# Altium PCB as_x31.PcbDoc (part 5 of 6) (continued)
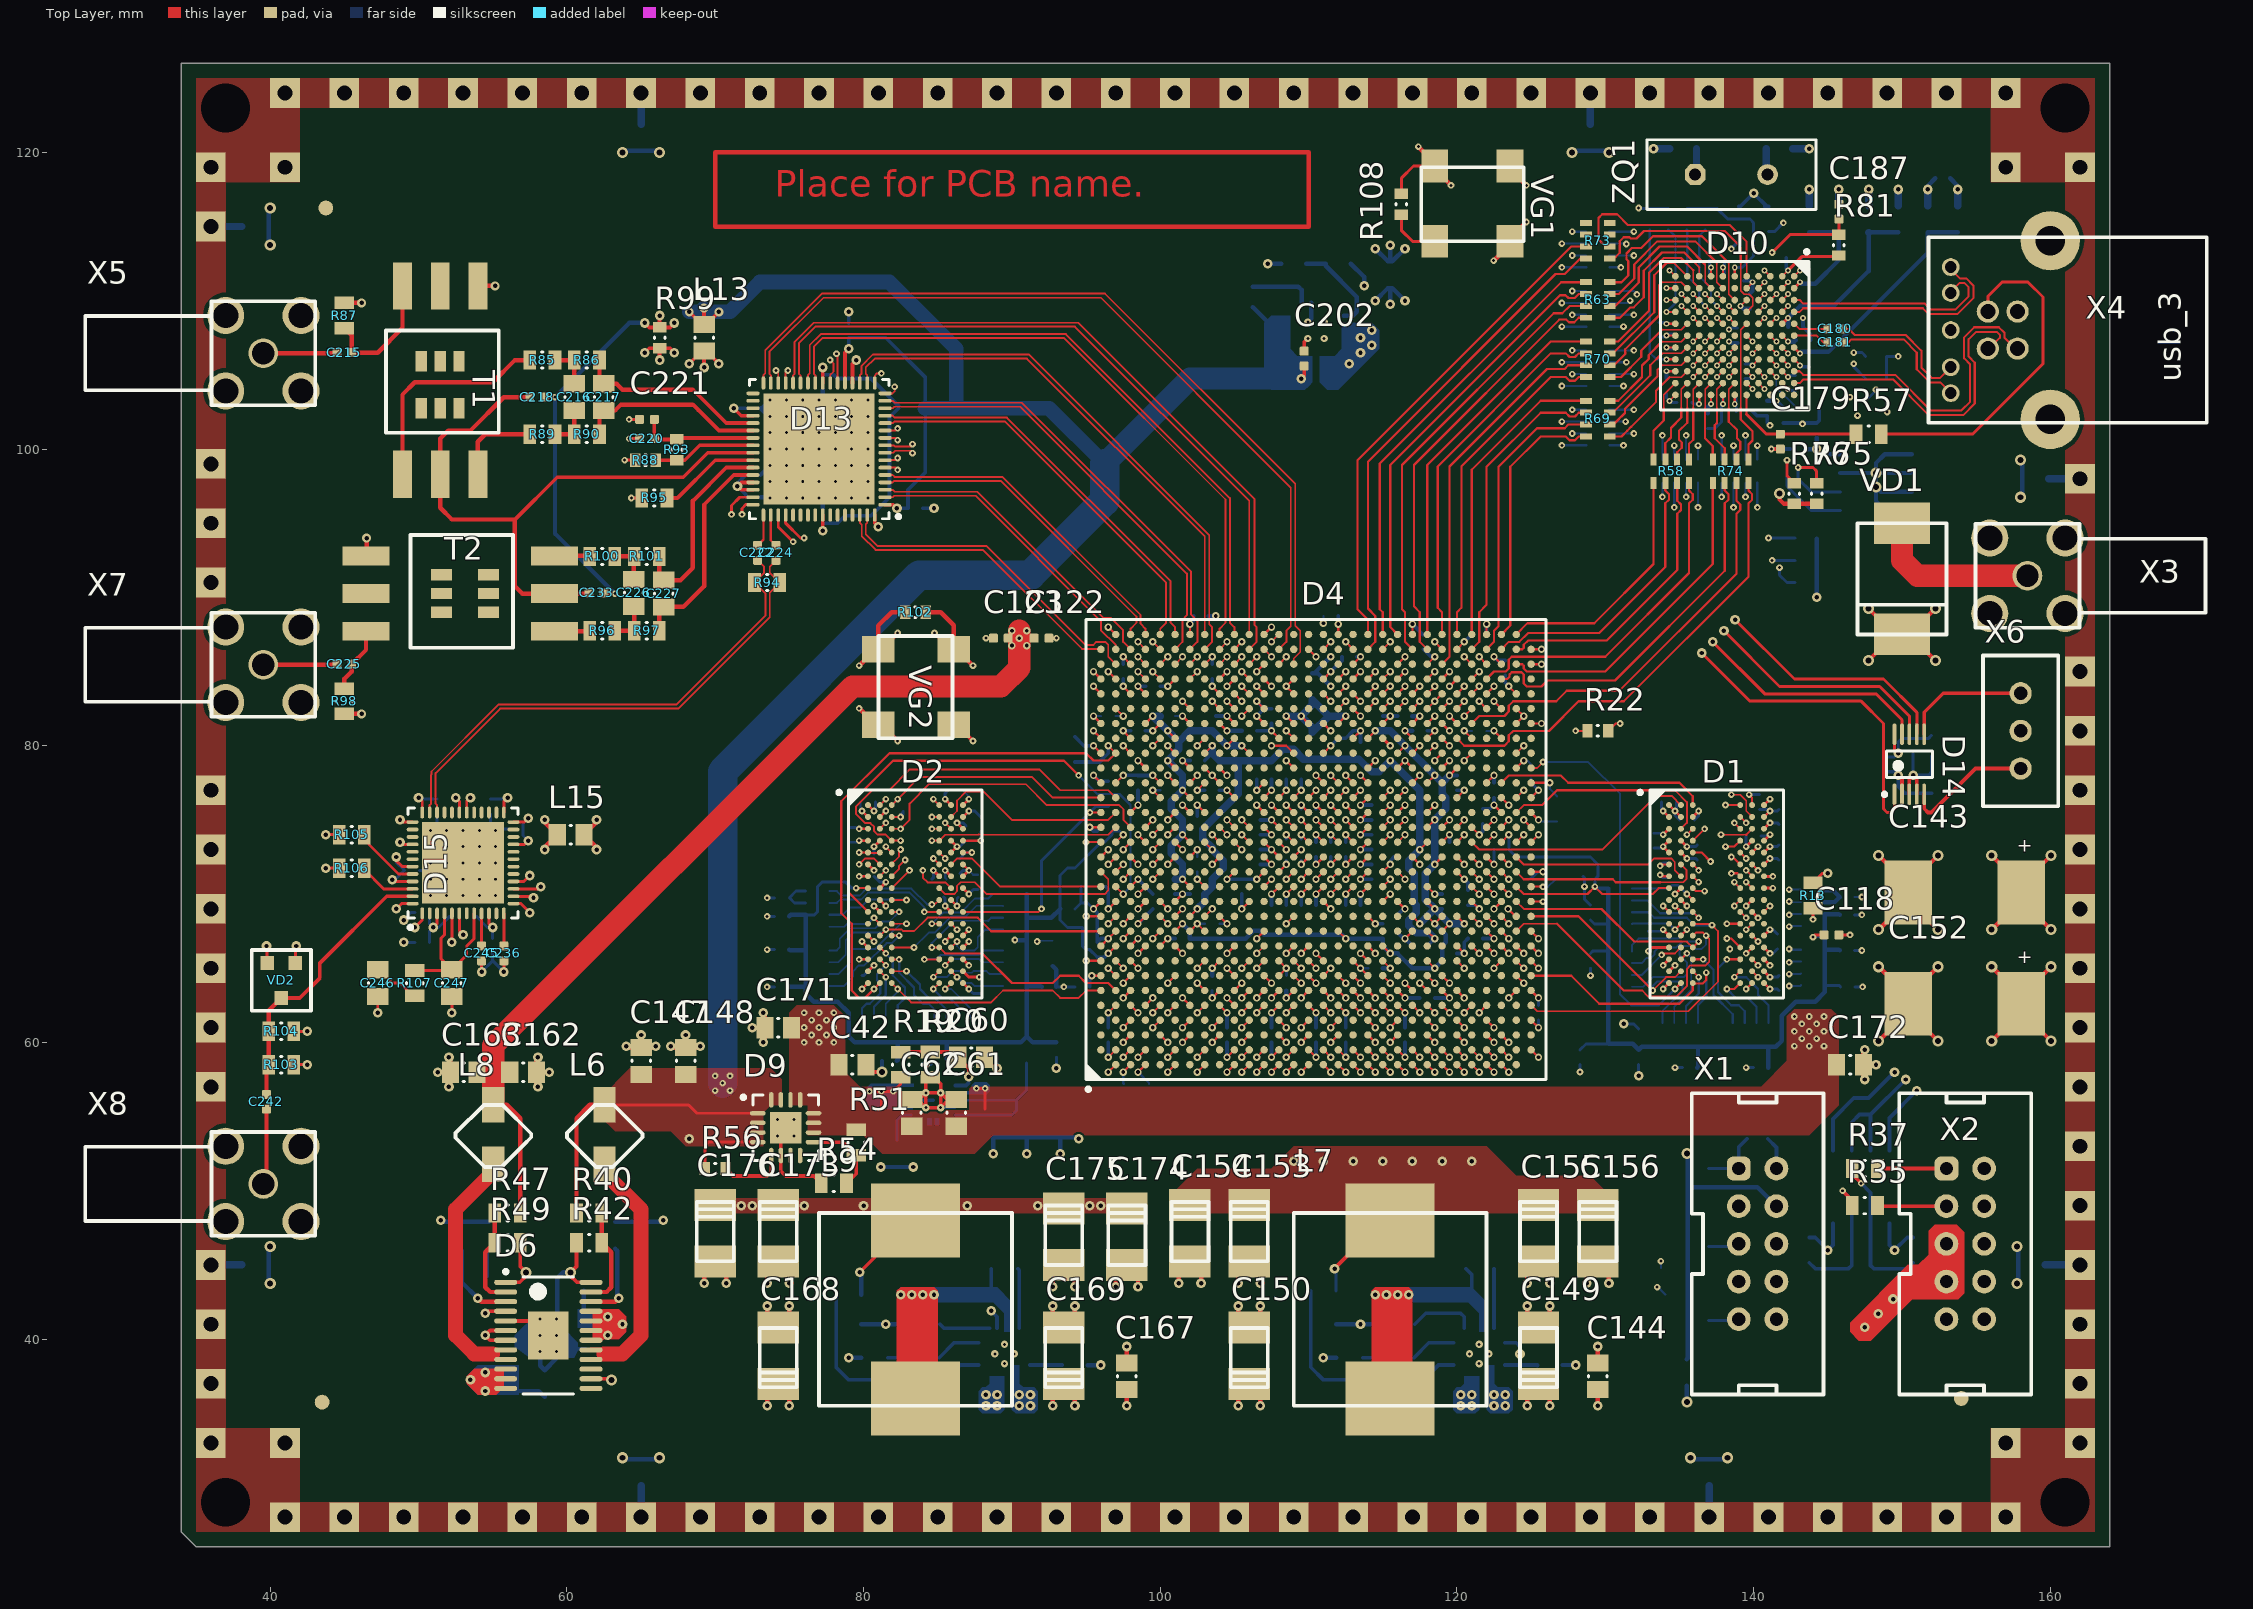
[diagram p0: Top Layer view]
## Nets (pads, with @x,y where several pads share a name; then routed paths per layer and width w, separated by ;. In a path a pad name is that pad's centre, name@x,y a point inside that pad or via, vN(x,y) a via of type N, cw(c..) or ccw(c..) an arc to the next point about the centre after c; other vN are vias at no path point) (continued)
  int_2 w0.15: 143.729,110.046 144.204,110.046 145,109.25 145,106.5
  int_2 w0.2: v1(105.5,65) 105.5,67 108,69.5 108,82.25 109,83.25 109,84.75 109,91.75 110.5,93.25 140.25,93.25 v2(141,94) 145,98 145,106.5
  Bottom Layer w0.2: v2(141,94) R31.2@142.8,94
FPGA_DATA0: D4.AG5 D10.D5 | length 90.2
  Top Layer w0.125: D10.D5@140.329,108.446 v5(140.729,108.846)
  Top Layer w0.15: v1(121.5,62) D4.AG5@122,62.5
  int_2 w0.2: v1(121.5,62) 121,62.5 120.328,62.5 120,62.828 120,63.25 119.725,63.525 119.303,63.525 119.025,63.803 119.025,64.225 118.75,64.5 118,64.5 116,66.5 115,66.5 112,69.5 112,78.5 111,79.5 111,81.5 112,82.5 112,87.5 111.5,88 111.5,90.25 112.5,91.25 142,91.25 147,96.25 v2(147,102.25)
  int_1 w0.125: v5(140.729,108.846) 140.729,108.546 141.529,107.746 143.004,107.746
  int_1 w0.15: 143.004,107.746 146,104.75 146,103.25 v2(147,102.25)
FPGA_DCLK: D4.T7 D10.D4 R32.2 | length 84.1
  Top Layer w0.125: D10.D4@140.329,109.246 v5(140.729,109.646)
  Top Layer w0.15: D4.T7@111,64.5 v1(111.5,65)
  int_2 w0.2: v1(111.5,65) 111,65.5 111,78.5 110.5,79 110.5,85.25 111,85.75 111,86.25 110.5,86.75 110.5,90.25 112,91.75 141.5,91.75 v2(141.75,92) 146.5,96.75 v2(146.5,103.5)
  int_1 w0.125: v5(140.729,109.646) 141.129,109.246 141.129,108.646 141.629,108.146 143.329,108.146
  int_1 w0.15: 143.329,108.146 143.354,108.146 146.5,105 v2(146.5,103.5)
  Bottom Layer w0.2: v2(141.75,92) 141.75,91.5 142.25,91 R32.2@142.8,91
FPGA_NCONFIG: D4.C5 D10.C1 R30.2 | length 97.8
  Top Layer w0.125: v5(140.729,112.046) D10.C1@141.129,111.646
  Top Layer w0.15: D4.C5@98,62.5 v1(98.5,62)
  int_2 w0.125: v5(140.729,112.046) 141.129,111.646 143.729,111.646
  int_2 w0.15: 143.729,111.646 144.104,111.646 146,109.75 146,107.5
  int_2 w0.2: v1(98.5,62) 99,61.5 101,61.5 103,63.5 106.25,63.5 108,65.25 108,66.5 110,68.5 110,90.75 111.5,92.25 141,92.25 v2(141.25,92.5) 146,97.25 146,107.5
  Bottom Layer w0.2: v2(141.25,92.5) R30.2@142.8,92.5
FPGA_NSTATUS: D4.K7 D10.D2 | length 87.6
  Top Layer w0.125: D10.D2@140.329,110.846 v5(140.729,111.246)
  Top Layer w0.15: v1(104.5,65) D4.K7@105,64.5
  int_2 w0.125: v5(140.729,111.246) 141.129,110.846 143.729,110.846
  int_2 w0.15: 143.729,110.846 144.154,110.846 145.5,109.5 145.5,107
  int_2 w0.2: v1(104.5,65) 105,64.5 106.75,64.5 107.25,65 107.25,67.75 109,69.5 109,82.5 109.5,83 109.5,91.25 111,92.75 140.5,92.75 145.5,97.75 145.5,107
NetC1_2: C1.2 R1.1 R1.2 | length 2.3
  Bottom Layer w0.3: R1.2@144.8,69.45 145.45,69.45 C1.2@145.8,69.8 145.35,70.25 R1.1@144.8,70.25
NetC2_2: C2.2 R2.3 R2.4 | length 2.5
  Bottom Layer w0.2: R2.3@76.1,69.4 75.35,69.4 C2.2@75,69.75 75.45,70.2 R2.4@76.1,70.2
NetC43_2: C43.2 D3.6 | length 2.5
  Bottom Layer w0.2: C43.2@82.25,53.4 82.25,54.75 82.6,55.1 D3.6@83.225,55.1
NetC60_2: C60.2 D3.1 R19.1 R20.2 | length 7
  Top Layer w0.25: R19.1@82.5,59.35 R20.2@84.5,59.35 86,59.35 C60.2@86.35,59 87.1,58.25 v3(87.1,57.7)
  Bottom Layer w0.25: D3.1@86.175,57.1 86.9,57.1 87.1,57.3 v3(87.1,57.7)
NetC151_1: C151.1 D7.13 | length 4
  Bottom Layer w0.25: D7.13@122.5,40.725 C151.1@122.5,44.75
NetC151_2: C151.2 D7.11 D7.12 L7.1 | length 1.9
  Bottom Layer w0.25: C151.2@120.6,44.75 121,44.35 121,43
  other v3: 114.5,43 115.25,43 116,43 116.75,43
NetC157_2: C157.2 R43.1 | length 1.9
  Bottom Layer w0.3: R43.1@65.1,44.25 65.1,45.95 C157.2@65.25,46.1
NetC158_2: C158.2 D6.22 R43.2 | length 5.4
  Top Layer w0.3: D6.22@61.625,42.525 63.275,42.525 v3(63.5,42.75)
  Bottom Layer w0.3: C158.2@63.25,46.1 63.4,45.95 R43.2@63.4,44.25 63.4,42.85 v3(63.5,42.75)
NetC161_2: C161.2 D7.9 | length 4.5
  Bottom Layer w0.25: C161.2@117.15,41 117.9,41.75 120.25,41.75 120.5,41.5 D7.9@120.5,40.725
NetC164_2: C164.2 R48.1 | length 1.9
  Bottom Layer w0.3: R48.1@54.6,44.25 54.6,45.95 C164.2@54.75,46.1
NetC165_2: C165.2 D6.3 R48.2 | length 5.8
  Top Layer w0.3: v3(54,42.75) 54.225,42.525 D6.3@55.875,42.525
  Bottom Layer w0.3: C165.2@52.75,46.1 52.9,45.95 R48.2@52.9,44.25 52.9,43.85 v3(54,42.75)
NetC166_2: C166.2 R46.2 | length 1.8
  Bottom Layer w0.25: C166.2@113.65,38.75 R46.2@115.4,38.75
NetC170_1: C170.1 D8.13 | length 4.1
  Bottom Layer w0.25: C170.1@90.4,44.75 90.5,44.65 D8.13@90.5,40.725
NetC170_2: C170.2 D8.11 D8.12 L9.1 | length 1.8
  Bottom Layer w0.25: C170.2@88.6,44.75 88.6,43.15 88.75,43
  other v3: 82.5,43 83.25,43 84,43 84.75,43
NetC177_2: C177.2 D8.9 | length 3.5
  Bottom Layer w0.25: C177.2@85.15,41 85.425,40.725 D8.9@88.5,40.725
NetC178_2: C178.2 R55.2 | length 1.8
  Bottom Layer w0.25: C178.2@81.65,38.75 R55.2@83.4,38.75
NetC179_1: C179.1 D10.E11 R57.1 | length 9.2
  Top Layer w0.125: 139.529,102.746 D10.E11@139.529,103.646
  Top Layer w0.15: 139.529,102.346 139.529,102.746
  Top Layer w0.2: 139.529,102.346 140.875,101 R57.1@146.9,101
NetC180_2: C180.2 D10.A5 | length 2.4
  Top Layer w0.125: D10.A5@142.729,108.446 143.075,108.1 C180.2@145,108.1
NetC181_2: C181.2 D10.A6 | length 2.5
  Top Layer w0.125: D10.A6@142.729,107.646 144.254,107.646 144.7,107.2 C181.2@145,107.2
NetC182_2: C182.2 D10.C7 ZQ1.1 | length 17.5
  Top Layer w0.125: D10.C7@141.129,106.846 v5(141.529,106.446)
  int_1 w0.125: 139.5,113.5 139.5,110.975 139.929,110.546 139.929,108.346 141.129,107.146 141.129,106.846 v5(141.529,106.446)
  int_1 w0.15: ZQ1.1@136.06,118.5 137.5,118.5 139.5,116.5 139.5,113.5
  Bottom Layer w0.5: ZQ1.1@136.06,118.5 136.15,118.59 C182.2@136.15,120.25
NetC183_2: C183.2 D10.C6 ZQ1.2 | length 14.4
  Top Layer w0.125: D10.C6@141.129,107.646 v5(141.529,107.246)
  int_1 w0.125: 140.829,113.829 140.329,113.329 140.329,108.446 v5(141.529,107.246)
  int_1 w0.15: 140.829,113.829 140.829,118.389 ZQ1.2@140.94,118.5
  Bottom Layer w0.5: C183.2@140.85,120.25 140.85,118.59 ZQ1.2@140.94,118.5
NetC187_2: C187.2 D10.C5 R81.1 | length 11.2
  Top Layer w0.125: D10.C5@141.129,108.446 v5(141.529,108.846)
  Top Layer w0.2: v2(141.25,113.25) 142.45,114.45 R81.1@145.75,114.45 C187.2@145.75,115.5
  int_1 w0.125: v2(141.25,113.25) 141.129,113.129 141.129,110.046 141.529,109.646 v5(141.529,108.846)
NetC215_1: C215.1 X5.1 | length 5
  Top Layer w0.3: X5.1@39.54,106.46 44.46,106.46 C215.1@44.5,106.5
NetC215_2: C215.2 R87.2 T1.4 | length 8.8
  Top Layer w0.3: R87.2@45,108.15 45.5,107.65 C215.2@45.5,106.5 47.25,106.5 48.92,108.17 T1.4@48.92,111
NetC216_1: C216.1 R89.1 R90.2 | length 2.9
  Top Layer w0.3: R89.1@59.2,101 R90.2@60.5,101 C216.1@60.5,102.6
NetC216_2: C216.2 R85.1 R86.2 | length 2.9
  Top Layer w0.3: R85.1@59.2,106 R86.2@60.5,106 C216.2@60.5,104.4
NetC217_1: C217.1 D13.38 R90.1 | length 12.7
  Top Layer w0.25: 68.9,102.6 70.25,101.25 D13.38@72.55,101.25
  Top Layer w0.3: R90.1@62.2,101 62.2,102.3 C217.1@62.5,102.6 63.25,102.6 63.65,103 68.5,103 68.9,102.6
NetC217_2: C217.2 D13.37 R86.1 | length 12.9
  Top Layer w0.25: 68.5,104 70.75,101.75 D13.37@72.55,101.75
  Top Layer w0.3: R86.1@62.2,106 62.2,104.7 C217.2@62.5,104.4 63.35,104.4 63.75,104 68.5,104
NetC219_2: C219.2 D14.3 D14.4 R91.1 R92.1 | length 6.7
  Top Layer w0.25: D14.3@150.5,76.725 150.5,77.75 v3(150.75,78) 151,77.75 D14.4@151,76.725
  Bottom Layer w0.2: v3(150.75,78) C219.2@150.75,79.5
  Bottom Layer w0.25: v3(150.75,78) 151.8,78 R91.1@152,78.2 R92.1@152,79.3
NetC222_2: C222.2 D13.49 | length 2.2
  Top Layer w0.15: C222.2@72.85,93.5 73.25,93.9 D13.49@73.25,95.55
NetC224_2: C224.2 D13.50 | length 2.2
  Top Layer w0.15: D13.50@73.75,95.55 73.75,93.85 C224.2@74.1,93.5
NetC225_1: C225.1 X7.1 | length 4.9
  Top Layer w0.3: X7.1@39.54,85.46 C225.1@44.46,85.46
NetC225_2: C225.2 R98.2 T2.4 | length 4.5
  Top Layer w0.3: R98.2@45,83.85 45,84.5 45.5,85 C225.2@45.5,85.5 46.46,86.46 T2.4@46.46,87.72
NetC226_1: C226.1 R100.1 R101.2 | length 2.9
  Top Layer w0.3: R100.1@63.24,92.76 R101.2@64.54,92.76 64.5,92.72 C226.1@64.5,91.2
NetC226_2: C226.2 R96.1 R97.2 | length 3
  Top Layer w0.3: R96.1@63.24,87.76 R97.2@64.54,87.76 64.54,89.36 C226.2@64.5,89.4
NetC227_1: C227.1 D13.43 R101.1 | length 13.5
  Top Layer w0.25: 68.5,96.5 70.75,98.75 D13.43@72.55,98.75
  Top Layer w0.3: R101.1@66.24,92.76 66.24,91.46 C227.1@66.54,91.16 67.66,91.16 68.5,92 68.5,96.5
NetC227_2: C227.2 D13.44 R97.1 | length 14.6
  Top Layer w0.25: 69.25,96.25 71.25,98.25 D13.44@72.55,98.25
  Top Layer w0.3: R97.1@66.24,87.76 66.24,89.06 C227.2@66.54,89.36 67.86,89.36 69.25,90.75 69.25,96.25
NetC236_2: C236.2 D15.12 | length 2.2
  Top Layer w0.2: C236.2@55.75,66.5 D15.12@55.75,68.7
NetC237_2: C237.2 C238.2 C239.2 C240.2 C241.2 D15.10 D15.21 D15.24 D15.25 D15.30 D15.31 D15.36 D15.37 D15.40 D15.43 D15.45 L15.1 L16.2 | length 23.6
  Top Layer w0.2: v3(48.218,70.968) 48.337,70.85 D15.45@49.6,70.85 ; v3@48.5,72.25 48.9,71.85 D15.43@49.6,71.85 ; v3(48.75,73.5) 48.9,73.35 D15.40@49.6,73.35 ; v3(48.75,75) 48.9,74.85 D15.37@49.6,74.85 ; v3(50,76.5) 50.25,76.25 D15.36@50.25,75.5 ; v3(52.5,76.5) 52.75,76.25 D15.31@52.75,75.5 ; D15.30@53.25,75.5 53.25,76.25 v3(53.5,76.5) ; D15.10@54.75,68.7 54.75,68 v3(55,67.75) ; D15.25@55.75,75.5 55.75,76.25 v3(56,76.5) ; D15.21@56.4,73.35 57.15,73.35 v3(57.4,73.6) ; D15.24@56.4,74.85 57.15,74.85 v3(57.4,75.1)
  Top Layer w0.3: v3(58.5,73) 58.5,73.15 L15.1@59.35,74 58.5,74.85 v3(58.5,75)
  Bottom Layer w0.2: v3(48.218,70.968) 48.418,70.968 C239.2@49.05,71.6 48.5,72.15 v3(48.5,72.5) ; v3(50,76.5) 50.1,76.4 C238.2@51.25,76.4 ; L16.2@53.9,68.5 54.65,67.75 v3(55,67.75) C240.2@55,67 ; C237.2@54.85,76.4 55.9,76.4 v3(56,76.5) ; v3(57.4,73.6) 57.05,73.95 57.05,74.75 v3(57.4,75.1)
NetC242_1: C242.1 X8.1 | length 5.1
  Top Layer w0.3: X8.1@39.54,50.46 39.75,50.67 C242.1@39.75,55.5
NetC243_2: C243.2 C244.2 D15.3 L16.1 | length 4.7
  Top Layer w0.2: v3(51,67.75) 51.25,68 D15.3@51.25,68.7
  Bottom Layer w0.2: C243.2@50.75,66.75 50.75,67.5 v3(51,67.75) ; C244.2@50.75,68.75 50.75,68 v3(51,67.75) ; L16.1@52.1,68.5 51.35,67.75 v3(51,67.75)
NetC245_2: C245.2 D15.9 | length 2.2
  Top Layer w0.2: C245.2@54.25,66.5 D15.9@54.25,68.7
NetC246_2: C246.2 R107.2 | length 3.2
  Top Layer w0.2: C246.2@47.25,64.9 47.35,64.9 48.25,64 48.75,64 49.6,63.15 R107.2@49.75,63.15
NetC247_2: C247.2 D15.4 D15.8 R107.1 | length 11.2
  Top Layer w0.2: R107.1@49.75,64.85 52.2,64.85 C247.2@52.25,64.9 ; D15.4@51.75,68.7 51.75,67.25 51.5,67 51.5,65.65 C247.2@52.25,64.9 ; D15.8@53.75,68.7 53.75,67 53.25,66.5 53.25,65.9 C247.2@52.25,64.9
NetD1_L8: D1.L8 R13.1 | length 6.9
  Top Layer w0.15: v2(139.5,67.6) D1.L8@139.9,68
  Top Layer w0.2: v2(144,68.3) R13.1@144,69.05
  int_1 w0.15: v2(139.5,67.6) 139.8,67.9 140.5,67.9 140.8,68.2 141.3,68.2 142.2,67.3 143,67.3 v2(144,68.3)
NetD2_L8: D2.L8 R14.1 | length 7.7
  Top Layer w0.125: D2.L8@85.9,68 v2(86.3,67.6)
  int_1 w0.125: v2(86.3,67.6) 86.518,67.6 86.93,68.012 87.27,68.012 87.282,68 87.3,68 87.8,67.5 91,67.5 v2(91.7,66.8)
  Bottom Layer w0.125: v2(91.7,66.8) 91.75,66.85 R14.1@92.75,66.85
NetD4_AD23: D4.AD23 R22.1 | length 10.4
  Top Layer w0.15: D4.AD23@119,80.5 v1(119.5,80) ; v2(128,81) R22.1@128.8,81
  int_2 w0.15: v1(119.5,80) 120,80.5 127.5,80.5 v2(128,81)
NetD4_AK13: D4.AK13 R24.1 | length 1.9
  Top Layer w0.125: D4.AK13@125,70.5 v2@125.8,70.5
  Bottom Layer w0.125: v2(125.8,70.487) 126.137,70.487 R24.1@126.65,71
NetD4_B12: D4.B12 R23.1 | length 2.3
  Top Layer w0.15: v1(96.5,69) D4.B12@97,69.5
  Bottom Layer w0.25: R23.1@96.35,70.5 96.5,70.35 v1(96.5,69)
NetD4_C1: D4.C1 R39.1 | length 1.5
  Top Layer w0.15: v1(97.5,58) D4.C1@98,58.5
  Bottom Layer w0.15: v1(97.5,58) 97.5,57.25 R39.1@97.55,57.2
NetD4_M7: D4.M7 R29.1 | length 37.9
  Top Layer w0.15: D4.M7@107,64.5 v1(107.5,64)
  int_2 w0.15: v1(107.5,64) 107.864,64 108.314,64.45 108.686,64.45 109.05,64.086 109.05,63.814 109.314,63.55 110.2,63.55 111.3,62.45 111.686,62.45 111.95,62.186 111.95,61.914 112.414,61.45 112.686,61.45 112.95,61.186 112.95,60.8 114.3,59.45 114.686,59.45 114.95,59.186 114.95,58.914 115.414,58.45 115.686,58.45 115.95,58.186 115.95,57.914 117.364,56.5 119.5,56.5 123.75,52.25 126,52.25 133,45.25 133,44 v2(133.5,43.5)
  Bottom Layer w0.15: v2(133.5,43.5) 133.55,43.5 R29.1@134.05,43
NetD4_P9: D4.P9 R28.1 | length 36.5
  Top Layer w0.15: v1(108.5,66) D4.P9@109,66.5
  int_2 w0.15: v1(108.5,66) 109.05,65.45 109.686,65.45 109.95,65.186 109.95,64.914 110.414,64.45 110.686,64.45 111.95,63.186 111.95,62.914 112.414,62.45 112.686,62.45 112.95,62.186 112.95,61.914 114.414,60.45 115.8,60.45 115.95,60.3 115.95,58.914 116.414,58.45 116.686,58.45 116.95,58.186 116.95,57.914 117.864,57 119.75,57 124,52.75 126.25,52.75 v2(133.75,45.25)
  Bottom Layer w0.15: R28.1@133.75,44.8 v2(133.75,45.25)
NetD5_6: D5.6 R36.1 R37.1 R38.2 | length 10.2
  Top Layer w0.25: R37.1@146.65,51.5 146.65,51.1 v2(147.25,50.5)
  Bottom Layer w0.25: v2(147.25,50.5) 147.885,49.865 D5.6@147.885,47.8 147.885,44.965 R36.1@148.1,44.75 150.35,44.75 R38.2@150.75,45.15
NetD5_7: D5.7 R34.1 R35.1 R36.2 | length 9.7
  Top Layer w0.25: v2(146,50) 146.65,49.35 R35.1@146.65,49
  Bottom Layer w0.25: R34.1@143.75,45.15 144.15,44.75 R36.2@146.4,44.75 146.615,44.965 D5.7@146.615,47.8 146.615,49.385 v2(146,50)
NetD6_2: D6.2 R47.1 R49.2 | length 6.8
  Top Layer w0.3: R47.1@55.15,48.5 R49.2@55.15,46.5 54.5,45.85 54.5,43.5 54.825,43.175 D6.2@55.875,43.175
NetD6_8: D6.8 D6.9 L8.1 | length 17
  Top Layer w0.3: D6.8@55.275,39.275 55,39 55.375,38.625 D6.9@55.875,38.625
  Top Layer w1: L8.1@54.971,51.788 54.971,51.221 52.5,48.75 52.5,40.25 53.75,39 55,39
NetD6_16: D6.16 D6.17 L6.1 | length 17.6
  Top Layer w0.3: D6.16@61.625,38.625 62.125,38.625 62.5,39 62.225,39.275 D6.17@61.625,39.275
  Top Layer w1: 62.5,39 63.75,39 65,40.25 65,48.75 62.529,51.221 L6.1@62.529,51.788
NetD6_23: D6.23 R40.1 R42.1 | length 6.8
  Top Layer w0.3: D6.23@61.625,43.175 62.675,43.175 63,43.5 63,45.85 R42.1@62.35,46.5 R40.1@62.35,48.5
NetD7_1: D7.1 R45.1 | length 2.2
  Bottom Layer w0.25: D7.1@123.225,38.25 R45.1@125.4,38.25
NetD7_7: D7.7 R41.1 R44.2 | length 15.5
  Bottom Layer w0.25: R41.1@110.15,43.25 R44.2@110.15,41 110.15,38.1 111,37.25 117.75,37.25 118.75,38.25 D7.7@119.775,38.25
NetD7_8: D7.8 R46.1 | length 3.1
  Bottom Layer w0.25: R46.1@117.1,38.75 118.1,39.75 D7.8@119.775,39.75
NetD8_1: D8.1 R53.1 | length 2.2
  Bottom Layer w0.25: D8.1@91.225,38.25 R53.1@93.4,38.25
NetD8_7: D8.7 R50.1 R52.2 | length 15.3
  Bottom Layer w0.25: R50.1@78.15,43 R52.2@78.15,41 78.15,38.1 79,37.25 85.5,37.25 86.5,38.25 D8.7@87.775,38.25
NetD8_8: D8.8 R55.1 | length 3.1
  Bottom Layer w0.25: R55.1@85.1,38.75 86.1,39.75 D8.8@87.775,39.75
NetD9_5: D9.5 R56.1 | length 4.5
  Top Layer w0.25: R56.1@70.7,51.5 71.2,51 73.5,51 73.775,51.275 D9.5@73.775,52.375
NetD9_9: D9.9 R51.1 R54.2 | length 5.4
  Top Layer w0.25: D9.9@76.625,53.275 78.625,53.275 R51.1@79.5,52.4 79.5,51.15 R54.2@78.85,50.5
NetD10_B2: D10.B2 R59.2 | length 8.2
  Top Layer w0.125: D10.B2@141.929,110.846 v5(142.329,111.246)
  int_1 w0.15: v5(142.329,111.246) 143.329,110.246 143.629,110.246 144.5,109.375 144.5,108.75 v2(146.75,106.5)
  Bottom Layer w0.2: v2(146.75,106.5) 147.3,106.5 R59.2@147.55,106.25
NetD10_B3: D10.B3 R68.1 | length 6.8
  Top Layer w0.125: D10.B3@141.929,110.046 v5(142.329,110.446)
  int_1 w0.125: v2(142,115.25) 142,115 141.929,114.929 141.929,110.846 v5(142.329,110.446)
  Bottom Layer w0.2: R68.1@141,114.65 141.4,114.65 v2(142,115.25)
NetD10_B4: D10.B4 R61.2 | length 8.3
  Top Layer w0.125: D10.B4@141.929,109.246 v5(142.329,109.646)
  int_1 w0.15: v5(142.329,109.646) 143.429,109.646 144,109.075 144,108.5 v2(146.75,105.75)
  Bottom Layer w0.2: v2(146.75,105.75) 146.75,105.55 R61.2@147.55,104.75
NetD10_C8: D10.C8 R109.1 | length 11
  Top Layer w0.125: D10.C8@141.129,106.046 v5(141.529,105.646)
  int_1 w0.125: v2(138.5,113.5) 139.129,112.871 139.129,110.446 139.529,110.046 139.529,108.346 140.729,107.146 140.729,106.446 v5(141.529,105.646)
  Bottom Layer w0.2: v2(138.5,113.5) 139,114 R109.1@139,114.65
NetD10_C9: D10.C9 R60.1 | length 3.3
  Top Layer w0.125: D10.C9@141.129,105.246 v5(141.529,104.846)
  Bottom Layer w0.125: v5(141.529,104.846) 141.529,104.146 142.829,102.846 R60.1@143.029,102.846
NetD10_E6: D10.E6 R62.2 | length 15.2
  Top Layer w0.125: D10.E6@139.529,107.646 v5(139.929,107.246)
  int_1 w0.125: v5(139.929,107.246) 140.329,106.846 140.329,105.446 140.516,105.259 142.716,105.259 146.475,101.5 147.5,101.5 148.25,102.25 v2(148.25,104)
  Bottom Layer w0.2: R62.2@147.55,103.25 148.25,103.95 v2(148.25,104)
NetD10_G4: D10.G4 R77.1 | length 6.4
  Top Layer w0.125: v5(137.529,109.646) D10.G4@137.929,109.246
  Bottom Layer w0.15: R77.1@136.75,114.8 136.329,114.379 136.329,111.646 137.129,110.846 137.129,110.046 v5(137.529,109.646)
NetD10_H4: D10.H4 R78.1 | length 6.2
  Top Layer w0.125: v5(136.729,109.646) D10.H4@137.129,109.246
  Bottom Layer w0.15: R78.1@135.5,114.8 135.529,114.771 135.529,111.646 136.329,110.846 136.329,110.046 v5(136.729,109.646)
NetD10_L4: D10.L4 R79.1 | length 6.6
  Top Layer w0.15: v5(134.129,109.246) D10.L4@134.729,109.246
  Bottom Layer w0.15: v5(134.129,109.246) 134.729,109.846 134.729,114.321 R79.1@134.25,114.8
NetD10_L8: D10.L8 R80.1 | length 10.2
  Top Layer w0.15: v5(134.129,106.046) D10.L8@134.729,106.046
  Bottom Layer w0.15: R80.1@133,114.8 133,106.5 133.454,106.046 v5(134.129,106.046)
NetD12_5: D12.5 R84.1 | length 4.2
  Bottom Layer w0.3: R84.1@106.25,110.95 109.3,110.95 109.525,110.725 D12.5@109.525,109.875
NetD12_9: D12.9 R82.1 R83.2 | length 6.4
  Bottom Layer w0.3: R83.2@109.85,112.5 R82.1@111.15,112.5 111.15,112.35 113.25,110.25 113.25,109.25 112.975,108.975 D12.9@112.375,108.975
NetD13_40: D13.40 R88.2 R93.1 | length 7
  Top Layer w0.25: R88.2@66,99.25 R93.1@67.4,99.25 67.95,99.25 68.95,100.25 D13.40@72.55,100.25
NetD13_42: D13.42 R95.1 | length 6.9
  Top Layer w0.25: R95.1@66.75,96.7 67.45,96.7 70,99.25 D13.42@72.55,99.25
NetD14_5: D14.5 X6.1 | length 8.8
  Top Layer w0.25: D14.5@151.5,76.725 151.5,75.75 151.75,75.5 152,75.5 154.96,78.46 X6.1@158,78.46
NetD14_6: D14.6 X6.3 | length 8.5
  Top Layer w0.25: D14.6@151.5,80.775 151.5,82.25 152.79,83.54 X6.3@158,83.54
NetD15_44: D15.44 R105.1 | length 4.6
  Top Layer w0.2: R105.1@46.35,74 46.35,73.65 48.65,71.35 D15.44@49.6,71.35
NetD15_46: D15.46 R106.1 | length 3.9
  Top Layer w0.2: R106.1@46.35,71.75 46.35,71.65 47.65,70.35 D15.46@49.6,70.35
NetR57_2: R57.2 X4.1 | length 22.9
  Top Layer w0.2: R57.2@148.6,101 154.75,101 159.5,105.75 159.5,110.25 158.5,111.25 156.75,111.25 155.79,110.29 X4.1@155.79,109.27
NetR85_2: R85.2 T1.3 | length 14.9
  Top Layer w0.3: T1.3@48.92,98.3 48.92,103.67 49.75,104.5 55,104.5 56.5,106 R85.2@57.5,106
NetR89_2: R89.2 T1.1 | length 5.9
  Top Layer w0.3: T1.1@54,98.3 54,100.5 54.5,101 R89.2@57.5,101
NetR96_2: R96.2 T2.3 | length 2.4
  Top Layer w0.3: T2.3@59.16,87.72 61.5,87.72 R96.2@61.54,87.76
NetR100_2: R100.2 T2.1 | length 2.4
  Top Layer w0.3: T2.1@59.16,92.8 61.5,92.8 R100.2@61.54,92.76
NetR102_2: R102.2 VG2.1 | length 7.3
  Top Layer w0.3: v2(79.7,85.4) 80.8,86.5 VG2.1@81,86.5 ; v2(82.3,87.6) 81.2,86.5 VG2.1@81,86.5 ; R102.2@82.8,89 81.9,89 81,88.1 VG2.1@81,86.5
NetR108_2: R108.2 VG1.1 | length 3.6
  Top Layer w0.2: R108.2@116.25,115.8 116.25,114.75 117,114 VG1.1@118.5,114
NetVD1_2: VD1.2 X3.1 | length 11.4
  Top Layer w1.5: VD1.2@150,95 150,92.5 151.04,91.46 X3.1@158.46,91.46
PCLK: D10.J6 R64.6 | length 6.8
  Top Layer w0.125: v5(135.929,107.246) D10.J6@136.329,107.646
  int_1 w0.125: 133.829,107.246 v5(135.929,107.246)
  int_1 w0.15: 133.371,107.246 133.829,107.246
  int_1 w0.2: v2(131.425,105.85) 131.975,105.85 133.371,107.246
  Bottom Layer w0.15: R64.6@130.3,105.85 v2(131.425,105.85)
PG1P1: D7.14 D8.10 | length 39.8
  int_2 w0.25: v3(88.6,41.9) 90.2,40.3 122.95,40.3 v3(124.25,39)
  Bottom Layer w0.25: v3(88.6,41.9) 89,41.5 D8.10@89,40.725 ; D7.14@123.225,39.75 124,39.75 124.25,39.5 v3(124.25,39)
SHIELD: L17.2 L18.2 L19.2 L20.2 L21.2 L22.2 L23.2 L24.2 pad.0 pad.3 | length 17.1
  Bottom Layer w0.5: pad.3@36,45 L23.2@38.1,45 ; pad.3@36,115 L24.2@38.1,115 ; pad.3@65,28 L22.2@65,30.1 ; L17.2@65,121.9 pad.3@65,124 ; L18.2@129,121.9 pad.3@129,124 ; pad.3@137,28 L21.2@137,30.1 ; L20.2@159.65,45 pad.3@162,45 ; L19.2@159.9,98 pad.3@162,98
SS_RX_N: D10.A3 X4.8 | length 14.7
  Top Layer w0.14: D10.A3@142.729,110.046 143.1,110.046 143.345,109.801 151.537,109.801 151.938,109.4 153.6,109.4 154.5,110.3 154.5,110.9 154.2,111.2 153.9,111.2 153.29,110.59 X4.8@153.29,110.52
SS_RX_P: D10.A4 X4.9 | length 15.8
  Top Layer w0.14: D10.A4@142.729,109.246 143.1,109.246 143.345,109.491 151.409,109.491 151.81,109.09 153.728,109.09 154.81,110.172 154.81,111.028 154.328,111.51 153.9,111.51 153.29,112.12 X4.9@153.29,112.27
SS_TX_N: C181.1 X4.5 | length 9.5
  Top Layer w0.14: C181.1@146,107.2 146.4,107.2 146.59,107.39 150.11,107.39 151,106.5 151,105.372 151.882,104.49 152.57,104.49 X4.5@153.29,103.77
SS_TX_P: C180.1 X4.6 | length 9.6
  Top Layer w0.14: C180.1@146,108.1 146.4,108.1 146.8,107.7 150.238,107.7 151.31,106.628 151.31,105.5 152.01,104.8 152.57,104.8 X4.6@153.29,105.52
TCK: D4.AC7 R26.2 R33.2 X1.1 | length 32.7
  Top Layer w0.15: D4.AC7@118,64.5 v1(118.5,64)
  int_2 w0.2: v1(118.5,64) 118,63.5 118,62.828 118.303,62.525 118.725,62.525 119.025,62.225 119.025,61.803 120.353,60.475 120.697,60.475 121.975,59.197 121.975,58.853 122.353,58.475 122.697,58.475 123.025,58.147 123.025,57.803 125.078,55.75 128,55.75 132.25,51.5 X1.1@139,51.5
  Bottom Layer w0.2: R26.2@136.95,51.5 X1.1@139,51.5
  Bottom Layer w0.25: X1.1@139,51.5 139,52.95 R33.2@139.55,53.5
TDI: D4.U7 R27.1 X1.9 | length 39.9
  Top Layer w0.15: D4.U7@112,64.5 v1(112.5,64)
  int_2 w0.2: v1(112.5,64) 113.025,63.475 113.025,62.803 113.328,62.5 115.672,62.5 116.025,62.147 116.025,61.803 116.303,61.525 116.725,61.525 118.025,60.225 118.025,59.803 118.303,59.525 118.647,59.525 119.025,59.147 119.025,58.803 119.303,58.525 119.647,58.525 120.025,58.147 120.025,57.803 124.328,53.5 126.84,53.5 X1.9@139,41.34
  Bottom Layer w0.2: R27.1@136.95,41.25 138.91,41.25 X1.9@139,41.34
TDO: D4.W9 X1.3 | length 33.8
  Top Layer w0.15: D4.W9@114,66.5 v1(114.5,66)
  int_2 w0.2: v1(114.5,66) 115,65.5 115.75,65.5 117,64.25 117,63.369 117.975,62.394 117.975,61.775 118.275,61.475 118.697,61.475 118.975,61.197 118.975,60.775 120.275,59.475 120.697,59.475 120.975,59.197 120.975,58.853 121.353,58.475 121.697,58.475 121.975,58.197 121.975,57.853 124.828,55 127.5,55 133.54,48.96 X1.3@139,48.96
TMS: D4.V7 R25.2 X1.5 | length 36.4
  Top Layer w0.15: D4.V7@113,64.5 v1(113.5,64)
  int_2 w0.2: v1(113.5,64) 114,63.5 115.672,63.5 116.025,63.147 116.025,62.803 116.353,62.475 116.697,62.475 117.025,62.147 117.025,61.803 118.353,60.475 118.697,60.475 119.975,59.197 119.975,58.853 120.353,58.475 120.697,58.475 121.025,58.147 121.025,57.803 124.578,54.25 127.25,54.25 135.08,46.42 X1.5@139,46.42
  Bottom Layer w0.2: R25.2@136.95,46.25 138.83,46.25 X1.5@139,46.42
TTL_RX: D4.Y23 D5.1 | length 64.5
  Top Layer w0.2: D4.Y23@115,80.5 v1(115.5,80)
  int_2 w0.2: v1(115.5,80) 116,80.5 117.75,80.5 118,80.75 118,81.25 118.25,81.5 118.75,81.5 119,81.75 119,82.25 119.25,82.5 126,82.5 127.25,83.75
  int_2 w0.25: 127.25,83.75 139.75,83.75 149.5,74 v3(149.5,58)
  Bottom Layer w0.25: D5.1@145.345,52.7 145.345,54.845 146.75,56.25 147.75,56.25 v3(149.5,58)
TTL_TX: D4.Y25 D5.4 | length 65.7
  Top Layer w0.15: D4.Y25@115,82.5 v1(115.5,83)
  int_2 w0.2: v1(115.5,83) 116,82.5 116.75,82.5 117,82.75 117,84.25 117.25,84.5 125.75,84.5 126.445,85.195
  int_2 w0.25: 126.445,85.195 140.805,85.195 151,75 v3(151,56.75)
  Bottom Layer w0.25: D5.4@149.155,52.7 149.155,54.905 v3(151,56.75)
TTL_TX_EN: D4.AE27 D5.2 D5.3 | length 62.4
  Top Layer w0.15: v1(119.5,84) D4.AE27@120,84.5
  int_2 w0.2: v1(119.5,84) 120,83.5 125.75,83.5 126.75,84.5
  int_2 w0.25: 126.75,84.5 140.25,84.5 150.25,74.5 v3(150.25,57.5)
  Bottom Layer w0.25: D5.2@146.615,52.7 146.615,54.615 147.135,55.135 147.885,55.135 ; D5.3@147.885,52.7 147.885,55.135 ; v3(150.25,57.5) 147.885,55.135
U3RXVDDQ: C185.2 C186.2 D10.A2 L10.2 | length 7.7
  Top Layer w0.2: D10.A2@142.729,110.846 v5(143.129,111.246)
  Bottom Layer w0.3: v5(143.129,111.246) 143.229,111.146 C185.2@143.729,111.146 144.146,111.146 145.75,112.75 C186.2@145.75,114.6 L10.2@143.75,114.6
U3TXVDDQ: C188.2 C189.2 D10.B5 L11.2 | length 12.5
  Top Layer w0.2: D10.B5@141.929,108.446 v5(142.329,108.846)
  Bottom Layer w0.3: C188.2@142.329,108.246 v5(142.329,108.846) 143.129,109.646 145.396,109.646 147.75,112 L11.2@147.75,114.6 C189.2@149.75,114.6
USB_N: D10.A10 X4.2 | length 21.8
  Top Layer w0.14: D10.A10@142.729,104.446 143.1,104.446 143.345,104.691 149.409,104.691 151.81,102.29 154.128,102.29 154.91,103.072 154.91,105.828 154.5,106.238 154.5,107.4 155,107.9 156.4,107.9 156.6,107.7 156.6,107.5 155.87,106.77 X4.2@155.79,106.77
USB_P: D10.A9 X4.3 | length 22.4
  Top Layer w0.14: D10.A9@142.729,105.246 143.1,105.246 143.345,105.001 149.537,105.001 151.938,102.6 154,102.6 154.6,103.2 154.6,105.7 154.19,106.11 154.19,107.528 154.872,108.21 156.528,108.21 156.91,107.828 156.91,107.5 157.64,106.77 X4.3@157.79,106.77
V0P75D: C39.2 C40.2 C41.2 D3.3 D3.5 L1.1 L2.1 | length 11.9
  Bottom Layer w0.2: D3.5@86.175,55.1 90,55.1 90.3,55.4 90.3,56.1 ; D3.3@86.175,56.1 90.3,56.1 ; L2.1@91,58.6 91,56.8 90.3,56.1